# Altium PCB PCB1.PcbDoc (continued)
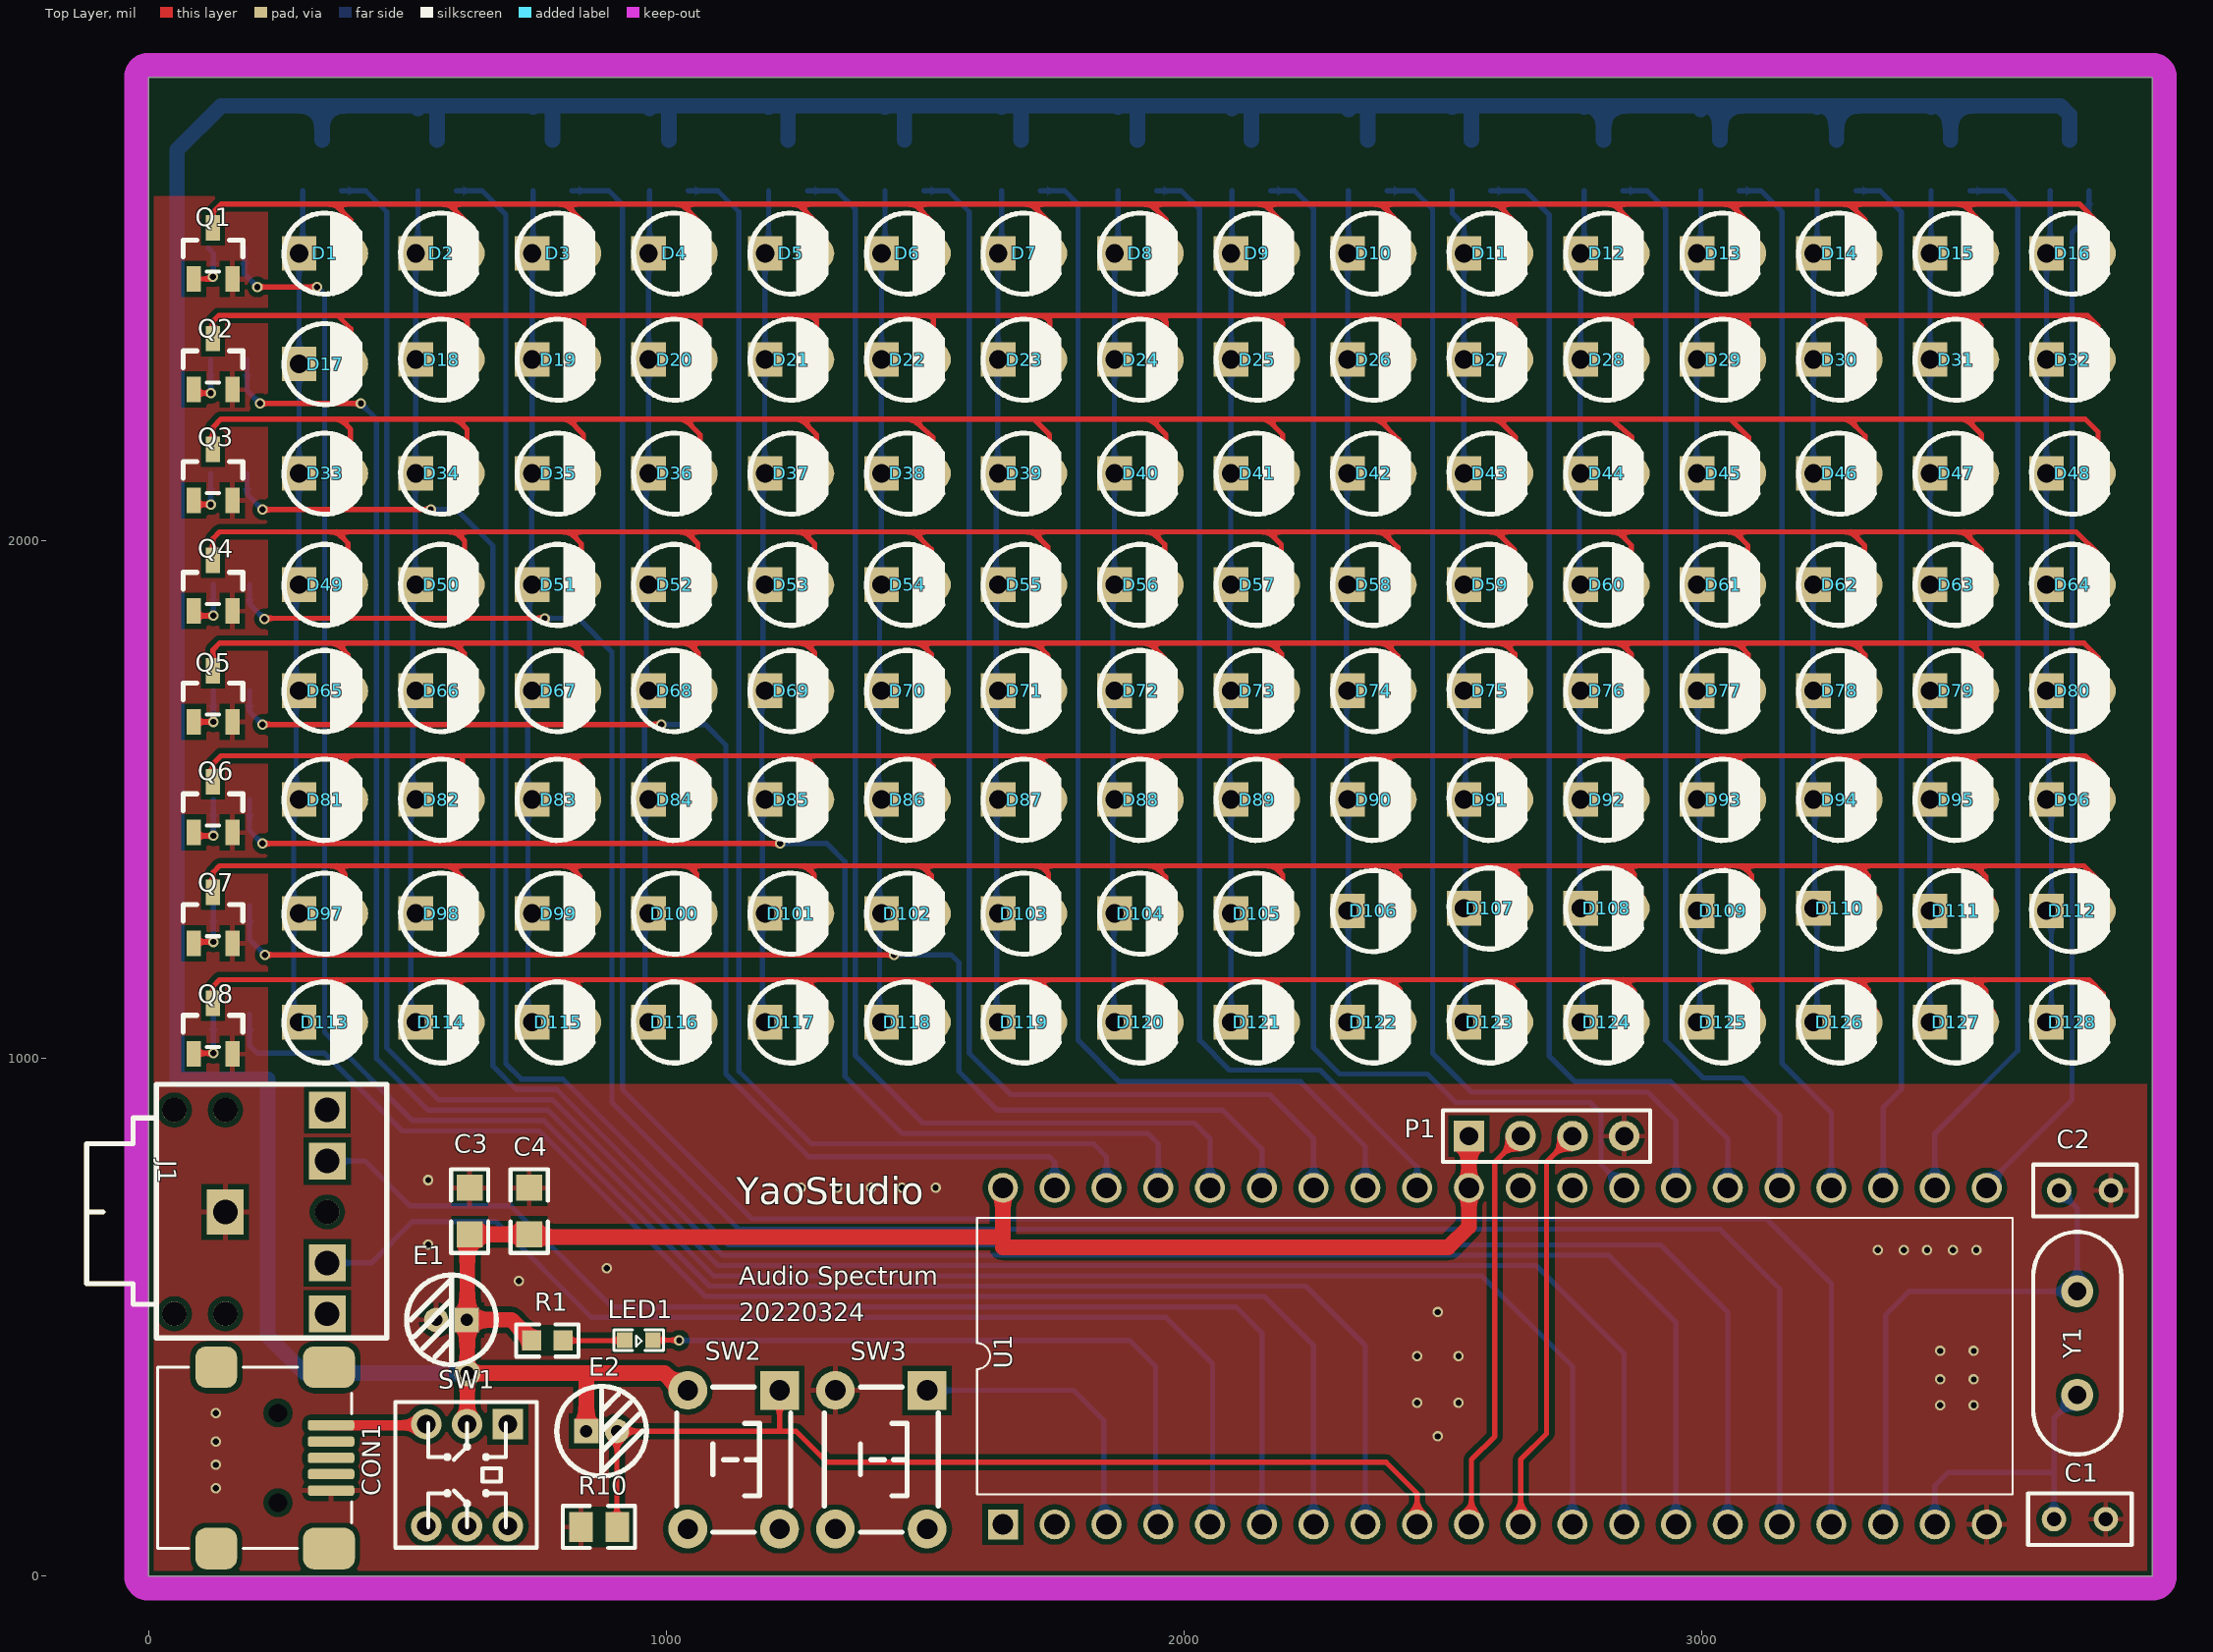
[diagram p0: Top Layer view]
## Components (designator, comment, footprint, x,y, rotation, side; value= is the part's Value field where it differs from the comment) (continued)

## Footprints (in the part's own frame and the unit in brackets; to place one, negate y for a bottom-side part, rotate by r counter-clockwise, add the part's x,y. Pads: shape width x height; smd on the part's side, far side on the other; paste and mask are expansions set on the pad)
3F07_BK [mm] "黑色，14.2*12*5mm"
  rect 2.2x1.8 hole 1.2: 1(0,0)
  rect 1.8x1.8 hole 1.2: 2(5,-5) 3(2.5,-5) 4(-2.5,-5) 5(-5,-5)
  round 1.2 hole 1.2 unplated: 5(-5,0) 6(-5,2.5) 6(0,-5) 6(5,0) 6(5,2.5)
  silkscreen extent -6.18,-7.92 6.26,6.8, body extent -6,-7.7 6,6.5, height 5.6
0603_R [mm]
  rect 0.93x0.98 smd: 1(-0.77,0) 2(0.77,0)
  silkscreen extent -1.53,-0.79 1.54,0.79, body extent -0.85,-0.4 0.85,0.4, height 0.56
0805_R [mm]
  rect 1.16x1.47 smd: 1(-0.89,0) 2(0.89,0)
  silkscreen extent -1.77,-1.04 1.77,1.03, body extent -1,-0.63 1,0.63, height 0.49
"C 0805" [mil] "无极性贴片电容"
  rect 50x50 smd: 1(-45,0) 2(45,0)
  silkscreen extent -81,-36 81,36, body extent -39,-24 39,24, height 20
"CAP 1.5*4*8" [mm] "脚距1.5mm直径4mm高度8mm"
  rect 1.2x1.2 hole 0.6: 1(-0.75,0)
  round 1.2 hole 0.6: 2(0.75,0)
  silkscreen extent -2.2,-2.2 2.2,2.2, body extent -2,-2 2.02,2, height 8.04
DIP40 [mil]
  rect 58x58 hole 40: 1(0,0)
  round 58 hole 40: 2(0,-100) 3(0,-200) 4(0,-300) 5(0,-400) 6(0,-500) 7(0,-600) 8(0,-700) 9(0,-800) 10(0,-900) 11(0,-1000) 12(0,-1100) 13(0,-1200) 14(0,-1300) 15(0,-1400) 16(0,-1500) 17(0,-1600) 18(0,-1700) 19(0,-1800) 20(0,-1900) 21(650,-1900) 22(650,-1800) 23(650,-1700) 24(650,-1600) 25(650,-1500) 26(650,-1400) 27(650,-1300) 28(650,-1200) 29(650,-1100) 30(650,-1000) 31(650,-900) 32(650,-800) 33(650,-700) 34(650,-600) 35(650,-500) 36(650,-400) 37(650,-300) 38(650,-200) 39(650,-100) 40(650,0)
  silkscreen extent 58,-1950 592,50
HDR1X4 [mm] "Connector; Header; 4 Position"
  rect 1.5x1.5 hole 0.9: 1(0,0)
  round 1.5 hole 0.9: 2(2.54,0) 3(5.08,0) 4(7.62,0)
  silkscreen extent -1.27,-1.27 8.89,1.27
"KFT DIP-7X7" [mm] "7*7mm开关"
  rect 1.5x1.5 hole 0.9: 1(-2.5,2)
  round 1.5 hole 0.9: 2(-2.5,0) 3(-2.5,-2) 4(2.5,-2) 5(2.5,0) 6(2.5,2)
  silkscreen extent -3.58,-3.51 3.56,3.42, body extent -3.5,-3.5 3.5,3.5, height 11.2
"LED 3MM-R" [mm] "红色3mm直插LED"
  rect 1.7x1.7 hole 0.9: 1(-1.27,0)
  round 1.7 hole 0.9: 2(1.27,0)
  silkscreen extent -2.01,-2 1.72,1.98, body extent -1.95,-1.95 1.64,1.95, height 5.55
"LED 0603R" [mil] "红色0603LED"
  rect 30x30 smd: 1(-27,0) 2(27.5,-0.06)
  silkscreen extent -48,-20 48,20, body extent -31,-16 32,16, height 24
RAD-0.1 [mm] "Radial Cap, Thru-Hole; 2 Leads; 0.1 in Pin Spacing"
  round 1.2 hole 0.7: 1(-1.27,0) 2(1.27,0)
  silkscreen extent -2.54,-1.27 2.54,1.27
SOT-23(SOT-23-3) [mm]
  rect 1.25x0.7 smd: 1(1.25,-0.95) 2(1.25,0.95) 3(-1.25,0)
  silkscreen extent -0.65,-1.46 0.9,1.46, body extent -1.5,-1.5 1.5,1.5, height 1.3
"TSW DIP-6*6*5" [mm] "6*6*5mm"
  rect 1.9x1.9 hole 1: 1(-3.4,2.25)
  round 1.9 hole 1: 2(-3.4,-2.25) 3(3.4,-2.25) 4(3.4,2.25)
  silkscreen extent -3.56,-2.79 3.56,2.79, body extent -4.11,-3 4.11,3, height 4.95
USB_Mini-B [mil]
  rrect50% 80x100 smd: 0(-175.2,3.94) 0(175.19,3.94)
  rrect50% 80x80 smd: 0(-175.2,221.69) 0(175.19,221.69)
  round 23.62 hole 35.43 unplated: 0(-86.61,102.36) 0(86.61,102.36)
  rrect50% 20x90 smd: 1(62.99,0) 2(31.5,0) 3(0,0) 4(-31.5,0) 5(-62.99,0)
  silkscreen extent -175,-40 175,335, body extent -211,-28 211,335, height 156
XTAL_49H-0.2 [mil] "S5.08mm"
  round 62 hole 35: 1(0,0) 2(-200,0)
  silkscreen extent -315,-85 115,85

## Part data
C1 C2: "Capacitor", LatestRevisionDate=17-Jul-2002, LatestRevisionNote="Re-released for DXP Platform.", PackageReference=RAD-0.3, Published=8-Jun-2000, Publisher="Altium Limited"
C3 C4: library part C, "无极性贴片电容"
CON1: library part USB_Mini, "USB"
D1 D2 D3 D4 D5 D6 D7 D8 D9 D10 D11 D12 D13 D14 D15 D16 D17 D18 D19 D20 D21 D22 D23 D24 D25 D26 D27 D28 D29 D30 D31 D32 D33 D34 D35 D36 D37 D38 D39 D40 D41 D42 D43 D44 D45 D46 D47 D48 D49 D50 D51 D52 D53 D54 D55 D56 D57 D58 D59 D60 D61 D62 D63 D64 D65 D66 D67 D68 D69 D70 D71 D72 D73 D74 D75 D76 D77 D78 D79 D80 D81 D82 D83 D84 D85 D86 D87 D88 D89 D90 D91 D92 D93 D94 D95 D96 D97 D98 D99 D100 D101 D102 D103 D104 D105 D106 D107 D108 D109 D110 D111 D112 D113 D114 D115 D116 D117 D118 D119 D120 D121 D122 D123 D124 D125 D126 D127 D128: "Typical INFRARED GaAs LED", LatestRevisionDate=08-Jul-2005, LatestRevisionNote="Mech Layer 1 removed.", PackageDescription="LED; 2 Leads", PackageReference=LED-0, Published=8-Jun-2000, Publisher="Altium Limited"
E1 E2: library part C-CAP, "直插电解电容"
J1: library part 3F07, "3.5mm耳机插座", BOM名称=¶ú», 学习资源=www.ooocke.
LED1: library part LED-3MM, "插件LED", BOM名称=插件LED, 学习资源=www.ooocke.com, 版权归属=源创客
P1: "Header, 4-Pin", LatestRevisionDate=17-Jul-2002, LatestRevisionNote="Re-released for DXP Platform.", Publisher="Altium Limited"
Q1 Q2 Q3 Q4 Q5 Q6 Q7 Q8 Q9 Q10 Q11 Q12 Q13 Q14 Q15 Q16 Q17 Q18 Q19 Q20 Q21 Q22 Q23 Q24: library part "SOT-23 SS8050 Y1", "三极管", Package=SOT-23, SuppliersPartNumber=C2150, ComponentLink1Description=供应商链接, ComponentLink1URL=http://www.szlcsc.com/product/details_2507.html, Supplier=LC
R1: library part "0603 1KΩ (1001) 1%", "贴片电阻", Package=0603, SuppliersPartNumber=C21190, ComponentLink1Description=供应商链接, ComponentLink1URL=http://www.szlcsc.com/product/details_21904.html, Supplier=LC
R2 R3 R4 R5 R6 R7 R8 R9: library part "0805 0Ω (0R0) 1%", "贴片电阻", Package=0805, SuppliersPartNumber=C17477, ComponentLink1Description=供应商链接, ComponentLink1URL=http://www.szlcsc.com/product/details_18165.html, Supplier=LC
R10: library part "0805 10KΩ (1002) 1%", "贴片电阻", Package=0805, SuppliersPartNumber=C17414, ComponentLink1Description=供应商链接, ComponentLink1URL=http://www.szlcsc.com/product/details_18102.html, Supplier=LC
SW1: "7*7开关", BOM名称=7*7开关, 学习资源=www.ooocke.com, 版权归属=源创客
SW2 SW3: "Switch", LatestRevisionDate=17-Jul-2002, LatestRevisionNote="Re-released for DXP Platform.", PackageDescription="Switch; 2 Leads", PackageReference=SPST-2, Published=24-Mar-1999, Publisher="Altium Limited"
U1: library part AT89C51, "8-bit MCU"
Y1: library part XTAL, "Crystal Oscillator", LatestRevisionDate=17-Jul-2002, LatestRevisionNote="Re-released for DXP Platform.", PackageReference=R38, Published=8-Jun-2000, Publisher="Altium Limited"

## Via types
v1: diameter 20, hole 12, Top Layer to Bottom Layer, tented both sides, 53 vias
v2: diameter 50, hole 28, Top Layer to Bottom Layer, tented both sides, 1 vias

## Nets (pads, with @x,y where several pads share a name; then routed paths per layer and width w, separated by ;. In a path a pad name is that pad's centre, name@x,y a point inside that pad or via, vN(x,y) a via of type N, cw(c..) or ccw(c..) an arc to the next point about the centre after c; other vN are vias at no path point)
GND: C1.2 C2.2 C3.1 C4.1 CON1.5 E1.2 J1.1 P1.4 Q1.2 Q2.2 Q3.2 Q4.2 Q5.2 Q6.2 Q7.2 Q8.2 R10.1 SW3.2 U1.20
  other v1: 130,170 130,215 130,260 2490,270 130,315 3460,330 3525,330 2450,335 2530,335 3460,380 3525,380 2450,425 2530,425 3460,435 3525,435 2490,510 715,570 885,595 3340,630 3390,630 3435,630 3485,630 3530,630 540,640 1260,750 1330,750 1395,750 1455,750 1520,750 540,765
NetC1_1: C1.1 U1.19 Y1.2 | length 581.1
  Bottom Layer w10: U1.19 3450,175 3475,200 3675,200 3680,195 ; C1.1@3680,105 C1.1 3680,195 ; Y1.2 3680,305 3680,200 3680,195
NetC2_1: C2.1 U1.18 Y1.1 | length 1005.2
  Bottom Layer w10: U1.18 3355,105 3355,505 3400,550 Y1.1 3725,710 C2.1
NetD1_1: D1.1 D17.1 D33.1 D49.1 D65.1 D81.1 D97.1 D113.1 Q9.2 | length 1613.1
  Bottom Layer w10: D113.1@280,1070 280,1280 280,1500 285,1505 285,1710 285,1915 290,1920 290,2130 290.71,2130.71 D17.1 D1.1 297.6,2561.89 Q9.2
NetD1_2: D1.2 D2.2 D3.2 D4.2 D5.2 D6.2 D7.2 D8.2 D9.2 D10.2 D11.2 D12.2 D13.2 D14.2 D15.2 D16.2 Q1.3 | length 5392.7
  Top Layer w10: Q1.3 124.29,2634.29 140,2650 155,2650 360,2650 ; D1.2 390.71,2619.29 360,2650 ; D2.2 615.71,2614.29 580,2650 ; D3.2 840.71,2614.29 805,2650 ; D4.2 1065.71,2614.29 1030,2650 ; D5.2 1290.71,2614.29 1255,2650 ; D6.2 1515.71,2614.29 1480,2650 ; D7.2 1740.71,2614.29 1705,2650 ; D8.2 1965.71,2619.29 1935,2650 ; D9.2 2190.71,2614.29 2155,2650 ; D10.2 2415.71,2614.29 2380,2650 ; D11.2 2640.71,2614.29 2605,2650 ; D12.2 2865.71,2614.29 2830,2650 ; D13.2 3090.71,2614.29 3055,2650 ; D14.2 3315.71,2619.29 3285,2650 ; D15.2 3540.71,2614.29 3505,2650 ; D16.2 3765.71,2614.29 3730,2650 3505,2650 ; 360,2650 580,2650 ; 580,2650 805,2650 ; 805,2650 1030,2650 ; 1030,2650 1255,2650 ; 1255,2650 1480,2650 ; 1480,2650 1705,2650 ; 1705,2650 1935,2650 ; 1935,2650 2155,2650 ; 2155,2650 2380,2650 ; 2380,2650 2605,2650 ; 2605,2650 2830,2650 ; 2830,2650 3055,2650 ; 3055,2650 3285,2650 ; 3285,2650 3505,2650
NetD2_1: D2.1 D18.1 D34.1 D50.1 D66.1 D82.1 D98.1 D114.1 Q10.2 | length 1611.8
  Bottom Layer w10: D114.1@506.33,1070 506.33,1280 506,1280.33 506,1500 510.38,1504.38 510.38,1710 510.33,1710.05 510.33,1915 515,1919.67 515,2130 515.66,2130.66 D18.1 D18.1 D2.1 520.04,2559.33 Q10.2
NetD3_1: D3.1 D19.1 D35.1 D51.1 D67.1 D83.1 D99.1 D115.1 Q11.2 | length 1610.5
  Bottom Layer w10: D115.1@732.67,1070 732.67,1499.33 732,1500 732,1706.24 735.76,1710 735.76,1914.91 735.67,1915 740,1919.33 740,2130 740.61,2130.61 740.61,2350 740.71,2350.09 D3.1 742.44,2556.73 Q11.2
NetD4_1: D4.1 D20.1 D36.1 D52.1 D68.1 D84.1 D100.1 D116.1 Q12.2 | length 1610.2
  Bottom Layer w10: D116.1@959,1070 959,1499 958,1500 958,1706.86 961.14,1710 961.14,1914.86 961,1915 961,2126 965.57,2130.57 965.57,2350 965.71,2350.14 D4.1 967.44,2556.73 Q12.2
NetD5_1: D5.1 D21.1 D37.1 D53.1 D69.1 D85.1 D101.1 D117.1 Q13.2 | length 1612.1
  Bottom Layer w10: D117.1@1185.33,1070 1185.33,1498.67 1184,1500 1184,1707.48 1186.52,1710 1186.52,1914.81 1186.33,1915 1186.33,2126.33 1190,2130 1190,2349.48 1190.52,2350 1190.52,2554.81 D5.1 1197.44,2561.73 Q13.2
NetD6_1: D6.1 D22.1 D38.1 D54.1 D70.1 D86.1 D102.1 D118.1 Q14.2 | length 1611.8
  Bottom Layer w10: D118.1@1411.67,1070 1411.67,1498.33 1410,1500 1410,1708.1 1411.9,1710 1411.9,1914.76 1411.67,1915 1415,1918.33 1415,2349.53 1415.47,2350 1415.47,2554.76 D6.1 1422.44,2561.73 Q14.2
NetD7_1: D7.1 D23.1 D39.1 D55.1 D71.1 D87.1 D103.1 D119.1 Q15.2 | length 1611.6
  Bottom Layer w10: D119.1@1638,1070 1638,1498 1636,1500 1636,1708.72 1637.28,1710 1637.28,1914.72 1637,1915 1637,2127 1640,2130 1640,2349.57 1640.42,2350 1640.42,2554.72 D7.1 1647.44,2561.73 Q15.2
NetD8_1: D8.1 D24.1 D40.1 D56.1 D72.1 D88.1 D104.1 D120.1 Q16.2 | length 1611.4
  Bottom Layer w10: D120.1@1864.33,1070 1864.33,1280 1862,1282.33 1862,1500 1862.66,1500.66 1862.66,1710 1862.33,1710.33 1862.33,1915 1865,1917.67 1865,2130 1865.38,2130.38 1865.38,2350 1865.71,2350.33 D8.1 1872.44,2561.73 Q16.2
NetD9_1: D9.1 D25.1 D41.1 D57.1 D73.1 D89.1 D105.1 D121.1 Q17.2 | length 1609
  Bottom Layer w10: D121.1 2090.67,1497.33 2088,1500 2088,1709.96 2088.04,1710 2087.67,1710.38 2087.67,1915 2090,1917.33 2090,2130 2090.33,2130.33 2090.33,2350 2090.71,2350.38 D9.1 2092.44,2556.73 Q17.2
NetD10_1: D10.1 D26.1 D42.1 D58.1 D74.1 D90.1 D106.1 D122.1 Q18.2 | length 1609.3
  Bottom Layer w10: D122.1@2317,1070 2317,1497 2314,1500 2314,1709.42 2313.42,1710 2313.42,1914.57 2313,1915 2315,1917 2315,2130 2315.28,2130.28 2315.28,2350 2315.71,2350.43 D10.1 2317.44,2556.73 Q18.2
NetD11_1: D11.1 D27.1 D43.1 D59.1 D75.1 D91.1 D107.1 D123.1 Q19.2 | length 1618.2
  Bottom Layer w10: Q19.2 2517.6,2632.4 2540.71,2609.29 D11.1 2540.24,2554.53 2540.24,2350 2540,2349.76 2540,2130 2538.33,2128.33 D75.1@2538.33,1710 ; D75.1@2538.8,1710 2543.33,1705.47 D123.1@2543.33,1070
NetD12_1: D12.1 D28.1 D44.1 D60.1 D76.1 D92.1 D108.1 D124.1 Q20.2 | length 1612
  Bottom Layer w10: D124.1@2769.67,1070 2769.67,1290 2764.19,1295.48 2764.19,1914.48 2763.67,1915 2763.67,2128.67 2765,2130 2765,2349.81 2765.71,2350.52 D12.1 2772.6,2561.89 Q20.2
NetD13_1: D13.1 D29.1 D45.1 D61.1 D77.1 D93.1 D109.1 D125.1 Q21.2 | length 1612.2
  Bottom Layer w10: D125.1@2996,1070 2996,1496 2992,1500 2992,1707.57 2989.57,1710 2989.57,1914.43 2989,1915 2989,2129 2990,2130 2990,2349.86 2990.14,2350 2990.14,2554.43 D13.1 2997.6,2561.89 Q21.2
NetD14_1: D14.1 D30.1 D46.1 D62.1 D78.1 D94.1 D110.1 D126.1 Q22.2 | length 1612.5
  Bottom Layer w10: D126.1@3222.33,1070 3222.33,1290 3218,1294.33 3218,1500 3214.95,1503.05 3214.95,1710 3214.33,1710.62 3214.33,1915 3215,1915.67 3215,2130 3215.09,2130.1 3215.09,2350 3215.71,2350.61 D14.1 3222.6,2561.89 Q22.2
NetD15_1: D15.1 D31.1 D47.1 D63.1 D79.1 D95.1 D111.1 D127.1 Q23.2 | length 1610.7
  Bottom Layer w10: Q23.2 3442.6,2556.89 D15.1 D31.1 D47.1 3440.71,1916.04 3439.66,1915 3440.33,1914.34 3440.33,1078.34 D127.1@3448.67,1070
NetD16_1: D16.1 D32.1 D48.1 D64.1 D80.1 D96.1 D112.1 D128.1 Q24.2 | length 2051.5
  Bottom Layer w10: D64.1@3665,1915 D80.1@3665,1715.36 ; D32.1@3665,2350 D48.1@3665,2130 ; Q24.2 3672.6,2561.89 D16.1 D32.1 3665.71,2130.71 D48.1@3665,2130 ; D128.1@3675,1070 3675,1495 3670,1500 D80.1@3670,1705.71 ; D80.1@3675,1700.71 D80.1@3670,1705.71 ; D80.1@3665,1715.36 3670,1710.35 D80.1@3670,1705.71 ; D80.1@3665,1715.36 D48.1@3665,2130 ; D80.1@3665,1715.36 3665,1710.71 D80.1@3670,1705.71
NetD17_2: D17.2 D18.2 D19.2 D20.2 D21.2 D22.2 D23.2 D24.2 D25.2 D26.2 D27.2 D28.2 D29.2 D30.2 D31.2 D32.2 Q2.3 | length 5120.5
  Top Layer w10: Q2.3 124.29,2424.29 135,2435 365,2435 390.71,2409.29 D17.2 ; 365.71,2435 605,2435 ; D18.2 615.66,2424.34 605,2435 ; D19.2@840.61,2350 840.61,2424.39 830,2435 ; D20.2@1065.57,2350 1065.57,2424.43 1055,2435 ; D21.2@1290.52,2350 1290.52,2424.48 1280,2435 ; D22.2@1515.47,2350 1515.47,2429.53 1510,2435 ; D23.2@1740.42,2350 1740.42,2424.58 1730,2435 ; D24.2@1965.38,2350 1965.38,2422.12 1952.5,2435 ; D25.2@2190.33,2350 2190.33,2419.67 2175,2435 ; D26.2@2415.28,2350 2415.28,2424.72 2405,2435 ; D27.2@2640.24,2350 2640.24,2419.76 2625,2435 ; D28.2@2865.19,2350 2865.19,2419.81 2850,2435 ; D29.2@3090.14,2350 3090.14,2419.86 3075,2435 ; D30.2@3315.09,2350 3315.09,2417.41 3297.5,2435 ; D31.2@3540.05,2350 3540.05,2414.95 3520,2435 ; D32.2@3765,2350 3765,2415 3745,2435 3520,2435 ; 605,2435 830,2435 ; 830,2435 1055,2435 ; 1055,2435 1280,2435 ; 1280,2435 1510,2435 ; 1510,2435 1730,2435 ; 1730,2435 1952.5,2435 ; 1952.5,2435 2175,2435 ; 2175,2435 2405,2435 ; 2405,2435 2625,2435 ; 2625,2435 2850,2435 ; 2850,2435 3075,2435 ; 3075,2435 3297.5,2435 ; 3297.5,2435 3520,2435
NetD33_2: D33.2 D34.2 D35.2 D36.2 D37.2 D38.2 D39.2 D40.2 D41.2 D42.2 D43.2 D44.2 D45.2 D46.2 D47.2 D48.2 Q3.3 | length 5559.3
  Top Layer w10: Q3.3 124.29,2219.29 140,2235 370,2235 ; D33.2@390,2130 390,2215 370,2235 ; D34.2@615,2130 615,2215 595,2235 ; D35.2@840,2130 840,2205 810,2235 ; D36.2@1065,2130 1065,2205 1035,2235 ; D37.2@1290,2130 1290,2205 1260,2235 ; D38.2@1515,2130 1515,2200 1475,2235 ; 1712.66,2232.34 1740,2205 D39.2@1740,2130 ; D40.2@1965,2130 1965,2205 1935,2235 ; D41.2@2190,2130 2190,2205 2160,2235 ; D42.2@2415,2130 2415,2195 2375,2235 ; D43.2@2640,2130 2640,2200 2605,2235 ; 2825,2235 2605,2235 ; D44.2@2865,2130 2865,2200 2825.49,2234.57 3055.43,2234.57 3090,2200 D45.2@3090,2130 ; 3045,2235 3282.5,2235 ; D46.2@3315,2130 3315,2202.5 3282.5,2235 ; D47.2@3540,2130 3540,2205 3510,2235 ; D48.2@3765,2130 3765,2210 3740,2235 3510,2235 ; 370,2235 595,2235 ; 595,2235 810,2235 ; 810,2235 1035,2235 ; 1035,2235 1260,2235 ; 1260,2235 1475,2235 ; 1475,2235 1935,2235 ; 1935,2235 2160,2235 ; 2160,2235 2375,2235 ; 2375,2235 2605,2235 ; 3282.5,2235 3510,2235
NetD49_2: D49.2 D50.2 D51.2 D52.2 D53.2 D54.2 D55.2 D56.2 D57.2 D58.2 D59.2 D60.2 D61.2 D62.2 D63.2 D64.2 Q4.3 | length 5463
  Top Layer w10: Q4.3 124.29,2004.29 137.15,2017.15 362.85,2017.15 ; D49.2@385,1915 385,1995 362.85,2017.15 ; D50.2@610.33,1915 610.33,1999.67 592.85,2017.15 ; D51.2@835.67,1915 835.67,1994.33 812.85,2017.15 ; D52.2@1061,1915 1061,1994 1037.85,2017.15 ; D53.2@1286.33,1915 1286.33,1993.67 1262.85,2017.15 ; D54.2@1511.67,1915 1511.67,1983.33 1477.85,2017.15 ; D55.2@1737,1915 1737,1988 1707.85,2017.15 ; D56.2@1962.33,1915 1962.33,1992.67 1937.85,2017.15 ; D57.2@2187.67,1915 2187.67,1992.33 2162.85,2017.15 ; D58.2@2413,1915 2413,1987 2382.85,2017.15 ; D59.2@2638.33,1915 2638.33,1981.67 2602.85,2017.15 ; D60.2@2863.67,1915 2863.67,1991.33 2837.85,2017.15 ; D61.2@3089,1915 3089,1991 3062.85,2017.15 ; D62.2@3314.33,1915 3314.33,1990.67 3287.85,2017.15 ; D63.2@3539.66,1915 3539.66,1982.84 3505.35,2017.15 ; D64.2@3765,1915 3765,1975 3722.85,2017.15 3505.35,2017.15 ; 362.85,2017.15 592.85,2017.15 ; 592.85,2017.15 812.85,2017.15 ; 812.85,2017.15 1037.85,2017.15 ; 1037.85,2017.15 1262.85,2017.15 ; 1262.85,2017.15 1477.85,2017.15 ; 1477.85,2017.15 1707.85,2017.15 ; 1707.85,2017.15 1937.85,2017.15 ; 1937.85,2017.15 2162.85,2017.15 ; 2162.85,2017.15 2382.85,2017.15 ; 2382.85,2017.15 2602.85,2017.15 ; 2602.85,2017.15 2837.85,2017.15 ; 2837.85,2017.15 3062.85,2017.15 ; 3062.85,2017.15 3287.85,2017.15 ; 3287.85,2017.15 3505.35,2017.15
NetD65_2: D65.2 D66.2 D67.2 D68.2 D69.2 D70.2 D71.2 D72.2 D73.2 D74.2 D75.2 D76.2 D77.2 D78.2 D79.2 D80.2 Q5.3 | length 5281
  Top Layer w10: Q5.3 124.29,1789.29 137.15,1802.15 362.85,1802.15 ; D65.2@385,1710 385,1780 362.85,1802.15 ; D66.2@610.38,1710 610.38,1782.12 590.35,1802.15 ; D67.2@835.76,1710 835.76,1784.24 817.85,1802.15 ; D68.2@1061.14,1710 1061.14,1783.86 1042.85,1802.15 ; D69.2@1286.52,1710 1286.52,1783.48 1267.85,1802.15 ; D70.2@1511.9,1710 1511.9,1780.6 1490.35,1802.15 ; D71.2@1737.28,1710 1737.28,1777.72 1712.85,1802.15 ; D72.2@1962.66,1710 1962.66,1772.34 1932.85,1802.15 ; D73.2@2188.04,1710 2188.04,1781.96 2167.85,1802.15 ; D74.2@2413.42,1710 2413.42,1776.58 2387.85,1802.15 ; D75.2@2638.8,1710 2638.8,1781.2 2617.85,1802.15 ; D76.2@2864.19,1710 2864.19,1780.81 2842.85,1802.15 ; D77.2@3089.57,1710 3089.57,1780.43 3067.85,1802.15 ; D78.2@3314.95,1710 3314.95,1780.05 3292.85,1802.15 ; D79.2@3540.33,1710 3540.33,1779.67 3517.85,1802.15 ; D80.2 3765.71,1774.29 3737.85,1802.15 3517.85,1802.15 ; 362.85,1802.15 590.35,1802.15 ; 590.35,1802.15 817.85,1802.15 ; 817.85,1802.15 1042.85,1802.15 ; 1042.85,1802.15 1267.85,1802.15 ; 1267.85,1802.15 1490.35,1802.15 ; 1490.35,1802.15 1712.85,1802.15 ; 1712.85,1802.15 1932.85,1802.15 ; 1932.85,1802.15 2167.85,1802.15 ; 2167.85,1802.15 2387.85,1802.15 ; 2387.85,1802.15 2617.85,1802.15 ; 2617.85,1802.15 2842.85,1802.15 ; 2842.85,1802.15 3067.85,1802.15 ; 3067.85,1802.15 3292.85,1802.15 ; 3292.85,1802.15 3517.85,1802.15
NetD81_2: D81.2 D82.2 D83.2 D84.2 D85.2 D86.2 D87.2 D88.2 D89.2 D90.2 D91.2 D92.2 D93.2 D94.2 D95.2 D96.2 Q6.3 | length 5171.5
  Top Layer w10: Q6.3 124.29,1569.29 139.65,1584.65 380,1584.65 ; D81.2@380,1500 380,1584.65 ; D82.2@606,1500 606,1584 605.35,1584.65 ; D83.2 840.71,1558.94 815,1584.65 ; D84.2 1065.71,1558.94 1040,1584.65 ; D85.2 1290.71,1558.94 1265,1584.65 ; D86.2 1515.71,1563.94 1495,1584.65 ; D87.2 1740.71,1558.94 1715,1584.65 ; D88.2 1965.71,1553.94 1935,1584.65 ; D89.2 2190.71,1558.94 2165,1584.65 ; D90.2 2415.71,1553.94 2385,1584.65 ; D91.2 2640.71,1553.94 2610,1584.65 ; D92.2 2865.71,1553.94 2835,1584.65 ; D93.2 3090.71,1555.28 3061.34,1584.65 ; D94.2 3315.71,1556.61 3287.68,1584.65 ; D95.2 3540.71,1557.95 3514.02,1584.65 ; D96.2@3770,1500 3770,1555 3740.35,1584.65 3514.02,1584.65 ; 380,1584.65 605.35,1584.65 ; 605.35,1584.65 815,1584.65 ; 815,1584.65 1040,1584.65 ; 1040,1584.65 1265,1584.65 ; 1265,1584.65 1495,1584.65 ; 1495,1584.65 1715,1584.65 ; 1715,1584.65 1935,1584.65 ; 1935,1584.65 2165,1584.65 ; 2165,1584.65 2385,1584.65 ; 2385,1584.65 2610,1584.65 ; 2610,1584.65 2835,1584.65 ; 2835,1584.65 3061.34,1584.65 ; 3061.34,1584.65 3287.68,1584.65 ; 3287.68,1584.65 3514.02,1584.65
NetD97_2: D97.2 D98.2 D99.2 D100.2 D101.2 D102.2 D103.2 D104.2 D105.2 D106.2 D107.2 D108.2 D109.2 D110.2 D111.2 D112.2 Q7.3 | length 5212
  Top Layer w10: Q7.3 124.29,1359.29 137.15,1372.15 362.85,1372.15 ; D97.2@380,1280 380,1355 362.85,1372.15 ; D98.2@606.33,1280 606.33,1348.67 582.85,1372.15 ; D99.2@832.67,1280 832.67,1352.33 812.85,1372.15 ; D100.2@1059,1280 1059,1356 1042.85,1372.15 ; D101.2@1285.33,1280 1285.33,1354.67 1267.85,1372.15 ; D102.2@1511.67,1280 1511.67,1353.33 1492.85,1372.15 ; D103.2@1738,1280 1738,1357 1722.85,1372.15 ; D104.2@1964.33,1280 1964.33,1350.67 1942.85,1372.15 ; D105.2 2190.67,1354.33 2172.85,1372.15 ; D106.2@2417,1285 2417,1353 2397.85,1372.15 ; D107.2@2643.33,1290 2643.33,1356.67 2627.85,1372.15 ; D108.2@2869.67,1290 2869.67,1355.33 2852.85,1372.15 ; D109.2@3096,1285 3096,1354 3077.85,1372.15 ; D110.2@3322.33,1290 3322.33,1352.67 3302.85,1372.15 ; D111.2@3548.67,1285 3548.67,1351.33 3527.85,1372.15 ; D112.2@3775,1285 3775,1335 3737.85,1372.15 3527.85,1372.15 ; 362.85,1372.15 582.85,1372.15 ; 582.85,1372.15 812.85,1372.15 ; 812.85,1372.15 1042.85,1372.15 ; 1042.85,1372.15 1267.85,1372.15 ; 1267.85,1372.15 1492.85,1372.15 ; 1492.85,1372.15 1722.85,1372.15 ; 1722.85,1372.15 1942.85,1372.15 ; 1942.85,1372.15 2172.85,1372.15 ; 2172.85,1372.15 2397.85,1372.15 ; 2397.85,1372.15 2627.85,1372.15 ; 2627.85,1372.15 2852.85,1372.15 ; 2852.85,1372.15 3077.85,1372.15 ; 3077.85,1372.15 3302.85,1372.15 ; 3302.85,1372.15 3527.85,1372.15
NetD113_2: D113.2 D114.2 D115.2 D116.2 D117.2 D118.2 D119.2 D120.2 D121.2 D122.2 D123.2 D124.2 D125.2 D126.2 D127.2 D128.2 Q8.3 | length 5106.9
  Top Layer w10: Q8.3 124.29,1139.29 137.15,1152.15 362.85,1152.15 ; D113.2@380,1070 380,1135 362.85,1152.15 ; D114.2@606.33,1070 606.33,1136.17 590.35,1152.15 ; D115.2@832.67,1070 832.67,1137.33 817.85,1152.15 ; D116.2@1059,1070 1059,1131 1037.85,1152.15 ; D117.2@1285.33,1070 1285.33,1134.67 1267.85,1152.15 ; D118.2@1511.67,1070 1511.67,1133.33 1492.85,1152.15 ; D119.2@1738,1070 1738,1132 1717.85,1152.15 ; D120.2@1964.33,1070 1964.33,1130.67 1942.85,1152.15 ; D121.2 2190.67,1129.33 2167.85,1152.15 ; D122.2@2417,1070 2417,1133 2397.85,1152.15 ; D123.2@2643.33,1070 2643.33,1131.67 2622.85,1152.15 ; D124.2@2869.67,1070 2869.67,1130.33 2847.85,1152.15 ; D125.2@3096,1070 3096,1134 3077.85,1152.15 ; D126.2@3322.33,1070 3322.33,1132.67 3302.85,1152.15 ; D127.2@3548.67,1070 3548.67,1131.33 3527.85,1152.15 ; D128.2@3775,1070 3775,1125 3747.85,1152.15 3527.85,1152.15 ; 362.85,1152.15 590.35,1152.15 ; 590.35,1152.15 817.85,1152.15 ; 817.85,1152.15 1037.85,1152.15 ; 1037.85,1152.15 1267.85,1152.15 ; 1267.85,1152.15 1492.85,1152.15 ; 1492.85,1152.15 1717.85,1152.15 ; 1717.85,1152.15 1942.85,1152.15 ; 1942.85,1152.15 2167.85,1152.15 ; 2167.85,1152.15 2397.85,1152.15 ; 2397.85,1152.15 2622.85,1152.15 ; 2622.85,1152.15 2847.85,1152.15 ; 2847.85,1152.15 3077.85,1152.15 ; 3077.85,1152.15 3302.85,1152.15 ; 3302.85,1152.15 3527.85,1152.15
NetLED1_1: LED1.1 R1.2 | length 120
  Top Layer w10: R1.2 919.07,455 LED1.1 LED1.1@919.48,455.91
NetQ1_1: Q1.1 R2.2 | length 98.2
  Top Layer w10: Q1.1 102.6,2505.79 117.27,2505.79 121.49,2510 v1(124.19,2510)
  Bottom Layer w10: R2.2 125,2554.96 v1@125,2510
NetQ2_1: Q2.1 R3.2 | length 100.9
  Top Layer w10: Q2.1 93.72,2285.04 v1(119.96,2285.04)
  Bottom Layer w10: R3.2 v1(119.96,2285.04) v1(119.96,2285.04)
NetQ3_1: Q3.1 R4.2 | length 96.4
  Top Layer w10: Q3.1 94.85,2070 v1(120,2070)
  Bottom Layer w10: R4.2 v1(120,2070) v1(120,2070)
NetQ4_1: Q4.1 R5.2 | length 101.9
  Top Layer w10: Q4.1 86.89,1863.86 95.67,1855.08 v1(124.92,1855.08)
  Bottom Layer w10: R5.2 v1(124.92,1855.08) v1@125,1855
NetQ5_1: Q5.1 R6.2 | length 98.2
  Top Layer w10: Q5.1 87.02,1650 v1(125,1650)
  Bottom Layer w10: R6.2 v1(125,1650) v1(125,1650)
NetQ6_1: Q6.1 R7.2 | length 110.7
  Top Layer w10: Q6.1 93.1,1430 v1(125,1430)
  Bottom Layer w10: R7.2 124.92,1430.08 v1(125,1430)
NetQ7_1: Q7.1 R8.2 | length 109.3
  Top Layer w10: Q7.1 89.59,1225 v1(125,1225)
  Bottom Layer w10: R8.2 124.92,1225.08 v1(125,1225)
NetQ8_1: Q8.1 R9.2 | length 113.8
  Top Layer w10: Q8.1 88.5,1010 v1(125,1010)
  Bottom Layer w10: R9.2 124.92,1010.08 v1(125,1010)
P00: R2.1 U1.8 | length 4252.2
  Top Layer w10: v1(210,2490) v1(325,2490)
  Bottom Layer w10: R2.1 185.04,2514.96 v1(210,2490) ; v1(325,2490) 340,2475 340,1050 510,880 763.28,880 1083.28,560 2235,560 2350,445 U1.8
P01: R3.1 U1.12 | length 4429.2
  Top Layer w10: v1(215,2265) v1(410,2265)
  Bottom Layer w10: R3.1 190.04,2289.96 v1(215,2265) ; v1(410,2265) 440,2235 440,1000 540,900 771.57,900 1091.57,580 2575,580 2750,405 U1.12
P02: R4.1 U1.14 | length 4441.4
  Top Layer w10: v1(220,2060) v1(545,2060)
  Bottom Layer w10: R4.1 190.04,2089.96 v1(220,2060) ; v1(545,2060) 595,2060 665,1990 665,985 710,940 788.14,940 1108.14,620 2820,620 2950,490 U1.14
P03: R5.1 U1.16 | length 4506
  Top Layer w10: v1(223.75,1848.75) 225,1850 v1(765,1850)
  Bottom Layer w10: R5.1 195,1877.5 v1(223.75,1848.75) ; v1(765,1850) 830,1850 895,1785 895,915 1140,670 3035,670 3150,555 U1.16
P04: R6.1 U1.39 | length 2377.3
  Top Layer w10: v1(220,1645) v1(990,1645)
  Bottom Layer w10: R6.1 195.04,1669.96 v1(220,1645) ; v1(990,1645) 1075,1645 1115,1605 1115,970 1275,810 1740,810 1750,800 U1.39
P05: R7.1 U1.37 | length 2393.7
  Top Layer w10: v1(220,1415) v1(1220,1415)
  Bottom Layer w10: R7.1 195,1440 v1(220,1415) ; v1(1220,1415) 1310,1415 1345,1380 1345,965 1455,855 1930,855 1950,835 U1.37
P06: R8.1 U1.35 | length 2386
  Top Layer w10: v1(225,1200) v1(1440,1200)
  Bottom Layer w10: R8.1 195,1230 v1(225,1200) ; v1(1440,1200) 1550,1200 1565,1185 1565,974.63 1639.63,900 2075,900 2150,825 U1.35
P07: R9.1 U1.7 | length 2700.2
  Bottom Layer w10: R9.1 195,1025 210,1010 340,1010 490,860 755,860 1075,540 2155,540 2250,445 U1.7
P10: J1.3 U1.6 | length 2312.5
  Bottom Layer w10: J1.3 418.15,801.85 505,715 700,715 895,520 2100,520 2150,470 U1.6
P11: J1.4 U1.5 | length 2169.1
  Bottom Layer w10: J1.4 430,605 510,685 670,685 855,500 1965,500 2055,410 2055,105 U1.5
P12: Q11.1 U1.17 | length 4773.8
  Bottom Layer w10: Q11.1 889.21,2675.79 915,2650 915,940 1165,690 3125,690 3250,565 U1.17
P13: Q12.1 U1.38 | length 2613
  Bottom Layer w10: Q12.1 1099.21,2675.79 1140,2635 1140,975 1280,835 1825,835 1850,810 U1.38
P14: Q13.1 U1.36 | length 2588.9
  Bottom Layer w10: Q13.1 1329.21,2675.79 1365,2640 1365,1005 1495,875 2020,875 2050,845 U1.36
P15: Q14.1 U1.34 | length 2558
  Bottom Layer w10: Q14.1 1544.21,2675.79 1585,2635 1585,1010 1665,930 2165,930 2250,845 U1.34
P16: Q15.1 U1.33 | length 2418.4
  Bottom Layer w10: Q15.1 1769.21,2675.79 1795,2650 1795,1035 1875,955 2225,955 2350,830 U1.33
P17: Q16.1 U1.32 | length 2264.1
  Bottom Layer w10: Q16.1 1994.21,2675.79 2030,2640 2030,1035 2087.5,977.5 2262.5,977.5 2450,790 U1.32
P20: Q17.1 U1.28 | length 2487.5
  Bottom Layer w10: Q17.1 2214.21,2675.79 2250,2640 2250,1020 2300,970 2470,970 2525,915 2784.14,915 2805,894.14 2805,795 U1.28
P21: Q18.1 U1.27 | length 2386.4
  Bottom Layer w10: Q18.1 2444.21,2675.79 2480,2640 2480,1010 2555,935 2895,935 2950,880 U1.27
P22: Q19.1 U1.26 | length 2262.8
  Bottom Layer w10: Q19.1 2659.21,2675.79 2705,2630 2705,1005 2755,955 2940,955 3050,845 U1.26
P23: Q20.1 U1.25 | length 2122.5
  Bottom Layer w10: Q20.1 2894.21,2675.79 2930,2640 2930,1035 3002.5,962.5 3077.5,962.5 3150,890 U1.25
P24: Q21.1 U1.24 | length 2023.8
  Bottom Layer w10: Q21.1 3114.21,2675.79 3155,2635 3155,990 3250,895 U1.24
P25: Q22.1 U1.23 | length 2004
  Bottom Layer w10: Q22.1 3344.21,2675.79 3385,2635 3385,940 3350,905 U1.23
P26: Q23.1 U1.22 | length 2069.6
  Bottom Layer w10: U1.22 3450,855 3610,1015 3610,2650 3584.21,2675.79 Q23.1
P27: Q24.1 U1.21 | length 2007.6
  Bottom Layer w10: U1.21 3555,755 3555,760 3715,920 3715,1200 3715,2280 3715,2595 3747.4,2627.4 Q24.1
P32: Q9.1 U1.13 | length 4683.9
  Bottom Layer w10: Q9.1 419.21,2675.79 460,2635 460,1020 560,920 779.85,920 1099.85,600 2680,600 2850,430 U1.13
P33: Q10.1 U1.15 | length 4722.9
  Bottom Layer w10: Q10.1 644.21,2675.79 690,2630 690,990 720,960 800,960 1120,640 2920,640 3050,510 U1.15
P34: SW3.1 U1.3 | length 567.9
  Bottom Layer w10: SW3.1 1786.14,358.86 1845,300 1845,105 U1.3
P35: U1.2
P36: U1.1 | length 0
P37: LED1.2 U1.4 | length 1299.2
  Top Layer w10: LED1.2 1024.41,455.59 v1(1024.7,455.3) v1@1025,455
  Bottom Layer w10: v1(1024.7,455.3) 1894.7,455.3 1945,405 1945,105 U1.4
RST: E2.2 R10.2 SW2.1 U1.9 | length 1919.8
  Top Layer w10: R10.2 904.53,95.51 E2.2 1220,280 ; SW2.1 1218.58,281.42 1220,280 ; U1.9 2450,160 2390,220 1310,220 1250,280 1220,280
RXD: P1.2 U1.10 | length 791.4
  Top Layer w10: U1.10 2555,105 2555,225 2600,270 2600,800 P1.2
TXD: P1.3 U1.11 | length 791.4
  Top Layer w10: U1.11 2650,225 2700,275 2700,800 P1.3
VCC: C3.2 C4.2 E1.1 E2.1 P1.1 Q9.3 Q10.3 Q11.3 Q12.3 Q13.3 Q14.3 Q15.3 Q16.3 Q17.3 Q18.3 Q19.3 Q20.3 Q21.3 Q22.3 Q23.3 Q24.3 R1.1 SW1.2 SW2.2 U1.31 U1.40 | length 10961.6
  Top Layer w30: E1.1 E1.1@615.47,495 ; SW1.2 615.47,293.9 v2(615.47,391.95) ; E1.1@615.47,490 v2(615.47,391.95) ; C3.2 615.47,655.47 E1.1@615.47,495 ; C3.2@635,660 C4.2 740,655 1650,655 U1.40 ; R1.1 739.68,455.98 700.67,495 E1.1@615.47,495 ; E2.1 845.47,391.48 845,391.95 ; SW2.2 1029.29,358.86 996.2,391.95 845,391.95 ; 1650,635 2510,635 2550,675 U1.31 P1.1 ; v2(615.47,391.95) 845,391.95
  Bottom Layer w30: Q9.3 335,2840 ; 520.04,2834.96 515,2840 ; Q10.3 557.44,2837.44 560,2840 ; v2(615.47,391.95) 301.95,391.95 230,463.9 230,960 55,960 55,1160 55,2755 140,2840 335,2840 ; 742.44,2837.44 745,2840 ; Q11.3 779.84,2839.84 780,2840 ; 967.44,2834.94 972.5,2840 ; Q12.3 1004.84,2834.84 1010,2840 ; 1197.44,2837.44 1200,2840 ; Q13.3 1234.84,2829.84 1245,2840 ; 1422.44,2837.44 1425,2840 ; Q14.3 1459.84,2839.84 1460,2840 ; 1647.44,2837.44 1650,2840 ; Q15.3 1684.84,2839.84 1685,2840 ; 1872.44,2837.56 1870,2840 ; Q16.3 1909.84,2839.84 1910,2840 ; 2092.44,2834.94 2097.5,2840 ; Q17.3 2129.84,2839.84 2130,2840 ; 2317.44,2832.44 2325,2840 ; Q18.3 2354.84,2834.84 2360,2840 ; 2517.6,2837.4 2515,2840 ; Q19.3 2555,2835 2560,2840 ; 2772.6,2837.6 2775,2840 ; Q20.3 2810,2840 ; 2997.6,2832.6 3005,2840 ; Q21.3 3035,2840 ; 3222.6,2837.6 3225,2840 ; Q22.3 3260,2840 ; 3442.6,2837.6 3445,2840 ; Q23.3 3480,2840 ; Q24.3 3710,2822.43 3692.43,2840 3480,2840 ; 335,2840 515,2840 ; 515,2840 560,2840 ; 560,2840 745,2840 ; 745,2840 780,2840 ; 780,2840 972.5,2840 ; 972.5,2840 1010,2840 ; 1010,2840 1200,2840 ; 1200,2840 1245,2840 ; 1245,2840 1425,2840 ; 1425,2840 1460,2840 ; 1460,2840 1650,2840 ; 1650,2840 1685,2840 ; 1685,2840 1870,2840 ; 1870,2840 1910,2840 ; 1910,2840 2097.5,2840 ; 2097.5,2840 2130,2840 ; 2130,2840 2325,2840 ; 2325,2840 2360,2840 ; 2360,2840 2515,2840 ; 2515,2840 2560,2840 ; 2560,2840 2775,2840 ; 2775,2840 2810,2840 ; 2810,2840 3005,2840 ; 3005,2840 3035,2840 ; 3035,2840 3225,2840 ; 3225,2840 3260,2840 ; 3260,2840 3445,2840 ; 3445,2840 3480,2840
VUSB: CON1.1 SW1.3 | length 193
  Top Layer w20: CON1.1 534.21,291.38 SW1.3 SW1.3@527.98,293.43
pads on no net: CON1.0 CON1.2 CON1.3 CON1.4 J1.2 J1.5 J1.6 SW1.1 SW1.4 SW1.5 SW1.6 SW2.3 SW2.4 SW3.3 SW3.4 U1.29 U1.30

## Polygon pours and split planes (outlines as drawn)
GND on Top Layer "GND_L01_P002" (solid, remove dead copper, pour order 2): 0,2895 3870,2895 3870,0 0,0 0,2895
GND on Bottom Layer "GND_L02_P004" (solid, remove dead copper, pour order 4): 0,2895 3870,2895 3870,0 0,0 0,2895

## Keep-outs
Keep-Out Layer:
  lines w47.24: -23.62,0 ccw(c0,0) 0,-23.62 ; -23.62,0 ccw(c0,0) 0,-23.62 ; -23.62,0 -23.62,2895 ; -23.62,2895 cw(c0,2895) 0,2918.62 ; -23.62,2895 cw(c0,2895) 0,2918.62 ; 0,-23.62 3870,-23.62 ; 0,2918.62 3870,2918.62 ; 3870,-23.62 ccw(c3870,0) 3893.62,0 ; 3870,-23.62 ccw(c3870,0) 3893.62,0 ; 3870,2918.62 cw(c3870,2895) 3893.62,2895 ; 3870,2918.62 cw(c3870,2895) 3893.62,2895 ; 3893.62,0 3893.62,2895

## Other copper
Top Layer:
  pour cut-out: 3870,2895 3870,950 230,950 230,2665.43 0,2665 0,2895
Bottom Layer:
  pour cut-out: 0,2895 3870,2895 3870,950 0,950

## Silkscreen, mask and mechanical layers (free items; w line width, h text height)
Top Overlay:
  text "YaoStudio" at 1135,700 h90
  text "Audio Spectrum" at 1140,550 h60
  text "20220324" at 1140,480 h60

## Dimensions
-23.62,0 to 3870,-23.62 on Mechanical 1
-23.62,0 to 0,2918.62 on Mechanical 1